# KiCad board HPM6750_ADC_EVK_RevA.kicad_pcb (continued)
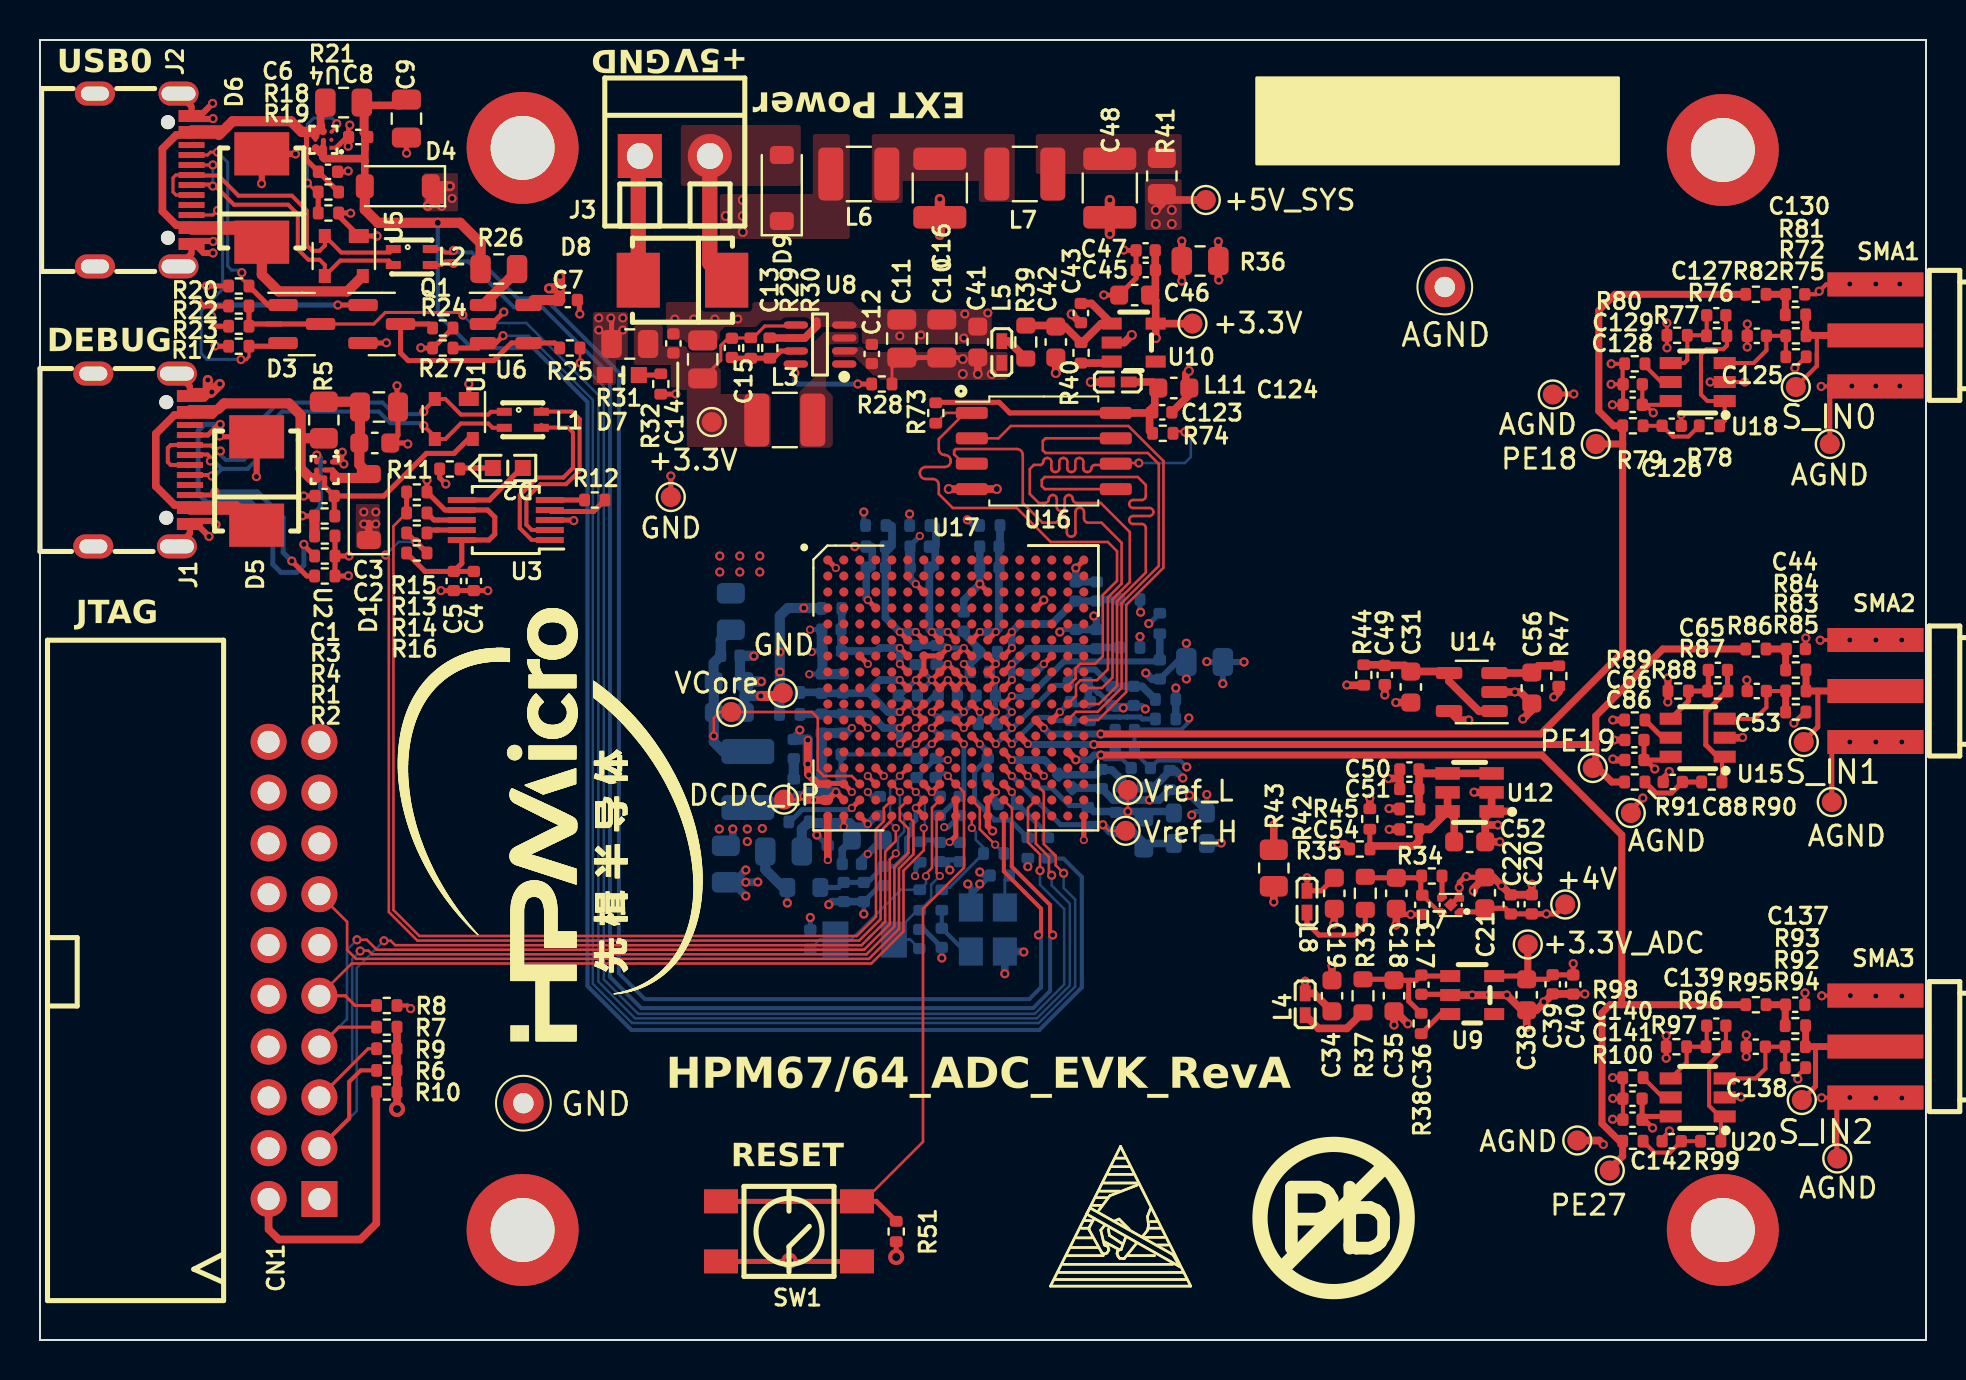
[diagram p0: board, top side]
## Routing (per net, layer and track width the routed paths; a pad name or vN(x,y) marks a point on that pad's centre or on a via; arc(x,y) is an arc through that point) (continued)
VDD_BATCAP_1V1: length 1.8
  Top w0.254: U17.M8 v1(44.59,29.8)
  Bottom w0.254: v1(44.59,29.8) 44.51,29.8 43.67,28.96
VDD_OTPCAP_2V5: length 5.6
  Top w0.254: U17.M7 v1(43.79,29.8)
  Bottom w0.203: C59.1 43.23,29.28 43.75,29.8 v1(43.79,29.8)
  Bottom w0.254: C60.1 C59.1
VDD_PMCCAP_1V1: length 4.6
  Top w0.254: U17.M9 v1(46.19,29.8)
  Bottom w0.254: v1(46.19,29.8) 46.19,27.23 46.15,27.18 ; C61.1 45.03,26.22 C62.1
/DEBUG/DN1: length 22
  Top w0.2: v2(9.02,44.45) 8.84,44.45 8.56,44.72 8.02,44.72 7.99,44.75 6.54,44.75 6.39,44.6 6.39,43.9 6.54,43.75 7.49,43.75 ; v2(19.19,46.42) 19.19,46.47 19.74,47.02 U1.2 20.27,47.05 21.04,46.28 22.41,46.28 22.55,46.41 L1.1
  Bottom w0.2: v2(9.02,44.45) 9.02,44.27 9.28,44.01 10.19,44.01 11.22,45.04 11.22,46.17 11.93,46.88 17.12,46.88 17.7,46.3 19.06,46.3 v2(19.19,46.42)
/DEBUG/DP1: length 20.8
  Top w0.2: L1.4 22.63,45.61 22.41,45.83 21.04,45.83 20.27,45.05 U1.3 19.74,45.17 v2(19.19,45.72) ; 7.49,44.25 7.99,44.25 8.02,44.28 8.38,44.28 8.52,44.13 v2(8.52,43.95) ; 7.49,43.25 8.54,43.25 v2(8.59,43.2)
  Bottom w0.2: 9.1,43.56 8.7,43.95 v2(8.52,43.95) ; 9.1,43.56 8.74,43.2 v2(8.59,43.2) ; 9.1,43.56 10.37,43.56 11.67,44.86 11.67,45.99 12.11,46.42 16.94,46.42 17.52,45.84 19.06,45.84 v2(19.19,45.72)
/DEBUG/PY0_JTAG_TDO: length 38
  Top w0.127: CN1.13 15.35,20.91 15.35,19.5 15.8,19.06 41.45,19.06 42.95,20.56 42.95,23.56 43.67,24.29 43.67,24.57 ; U17.U6 43.67,25.92 43.67,24.57 ; 43.67,24.57 43.67,24.37
/DEBUG/PY1_JTAG_TDI: length 46.4
  Top w0.127: v2(16.01,19.45) 16.03,19.47 16.42,19.47 16.61,19.28 41.32,19.28 42.72,20.68 42.72,23.66 43.42,24.36 43.42,25.57 42.99,26 42.99,26.6 U17.T6
  Top w0.152: CN1.5 16.4,14.56 R9.1
  Bottom w0.127: v2(16.01,19.45) 15.61,19.05 15.61,13.77 CN1.5
/DEBUG/PY2_JTAG_TCK: length 41.8
  Top w0.127: v1(43.79,27.4) U17.R6 ; CN1.9 15.59,18.83 41.57,18.83 43.18,20.44 43.18,23.47 44.19,24.48 v1(44.19,25.6)
  Top w0.152: R8.2 15.75,16.72 15.27,17.21 CN1.9
  Bottom w0.127: v1(43.79,27.4) 44.24,26.95 44.24,25.65 v1(44.19,25.6)
/DEBUG/PY3_JTAG_TMS: length 44.4
  Top w0.127: U17.R5 v1(42.99,27.4) ; 42.6,24.14 v1(42.79,24.33) 42.49,24.03 42.49,20.8 41.2,19.51 16.84,19.51 16.34,20.01 v2(15.85,20.01)
  Top w0.152: CN1.7 14.94,15.64 R7.1
  Bottom w0.127: v2(15.85,20.01) 15.35,19.51 15.35,16.05 CN1.7 ; v1(42.99,27.4) 42.99,26.4 43.21,26.18 43.21,25.43 42.9,25.12 42.9,24.54 42.84,24.48
/DEBUG/PY4_JTAG_TRST: length 51.9
  Top w0.127: 42.55,24.7 42.79,24.95 v1(42.79,25.6) ; 42.55,24.7 42.26,24.42 42.26,20.92 41.41,20.08 ; 42.55,24.7 42.39,24.55 ; 41.41,20.08 41.08,19.74 17.76,19.74 17.54,19.96 v2(17.2,19.96) ; 41.41,20.08 41.55,20.21
  Top w0.203: CN1.3 15.46,11.08 15.46,12.91 16.03,13.48 R6.2 ; U17.P6 v1(42.99,28.2)
  Bottom w0.127: v2(17.2,19.96) 15.84,18.6 15.84,11.46 CN1.3 ; v1(42.99,28.2) 42.51,27.72 42.51,25.88 v1(42.79,25.6) 42.66,25.73
/DEBUG/PY6_URT0.TXD: length 53.4
  Top w0.127: U17.U5 42.59,26 42.45,25.86 ; 42.45,25.86 42.19,25.6 ; 42.45,25.86 42.03,25.44 42.03,21.04 40.96,19.97 18.87,19.97 17.44,21.4 17.44,39.09 v2(17.28,39.25)
  Top w0.254: 18.7,40 v2(18.8,39.91) R16.2 18.35,40.35 R14.2
  Bottom w0.127: v2(17.28,39.25) 17.93,39.91 v2(18.8,39.91)
/DEBUG/PY7_URT0.RXD: length 53.7
  Top w0.127: U17.T5 42.19,26.6 42.19,25.94 41.8,25.55 41.8,21.16 40.84,20.2 18.97,20.2 17.67,21.5 17.67,40.69 R13.2
  Top w0.152: 18.33,41.11 R15.2
  Top w0.254: R15.2 R13.2
/DEBUG/USB2UART_N: length 10.5
  Top w0.203: U3.2 24.59,40.5 24.32,40.77 24.32,42.09 25.02,42.79 26.3,42.79 26.98,43.47 26.98,46.05 26.61,46.42 25.19,46.42 25.07,46.55
/DEBUG/USB2UART_P: length 10.1
  Top w0.203: 25.07,45.75 25.2,45.62 26.4,45.62 26.65,45.37 26.65,43.61 26.16,43.12 24.87,43.12 23.99,42.24 23.99,40.6 24.59,40 U3.1
/HPM6750-IO3/CA_CS0: length 27.9
  Top w0.127: U16.1 45.3,46.36 R73.2 ; U16.1 46.24,46.36 44.94,45.05 44.94,44.55 arc(45.03,44.34) 45.24,44.25 arc(45.45,44.16) 45.54,43.95 45.54,43.95 arc(45.45,43.74) 45.24,43.65 44.29,43.65 arc(44.08,43.56) 43.99,43.35 arc(44.08,43.14) 44.29,43.05 44.64,43.05 arc(44.85,42.96) 44.94,42.75 44.94,42.3 45.64,41.6 48.84,41.6 50.54,39.9 53.39,39.9 53.85,39.44 53.85,37.96 53.14,37.25 53.14,34.19 52.76,33.81 52.01,33.81 51.78,33.58 51.78,33.08 51.39,32.69 U17.J16 ; U16.1 46.43,46.51
/HPM6750-IO3/CA_D0: length 25.6
  Top w0.127: 53.74,42.5 U16.5 50.24,42.55 50.09,42.69 50.09,43 50.24,43.15 54.89,43.15 55.29,42.75 55.29,42.2 arc(55.23,42.06) 55.09,42 54.66,42 arc(54.52,41.94) 54.46,41.8 arc(54.52,41.66) 54.66,41.6 55.48,41.6 arc(55.61,41.54) 55.67,41.41 55.67,41.39 arc(55.61,41.26) 55.48,41.2 54.66,41.2 arc(54.52,41.14) 54.46,41 arc(54.52,40.86) 54.66,40.8 55.09,40.8 arc(55.23,40.74) 55.29,40.6 55.29,38.38 53.85,36.94 53.85,32.71 52.95,31.8 U17.K17
/HPM6750-IO3/CA_D1: length 25.6
  Top w0.127: 46.59,45.08 47.92,45.08 48.54,45.7 54.42,45.7 56.17,43.95 56.17,38.61 54.31,36.75 54.31,32.4 52.91,31 U17.L17
/HPM6750-IO3/CA_D2: length 25.6
  Top w0.127: U16.3 46.17,43.81 45.7,44.29 45.7,44.46 45.79,44.55 48.84,44.55 arc(49.05,44.46) 49.14,44.25 49.14,41.85 50.13,40.86 50.74,40.86 arc(50.86,40.91) 50.92,41.04 arc(50.97,41.16) 51.09,41.21 51.17,41.21 arc(51.29,41.16) 51.34,41.04 51.34,40.38 arc(51.41,40.23) 51.56,40.16 arc(51.71,40.23) 51.77,40.38 51.77,41.4 arc(51.83,41.55) 51.99,41.61 arc(52.14,41.55) 52.2,41.4 52.2,41.08 arc(52.25,40.94) 52.37,40.87 53.07,40.87 54.08,39.86 54.08,37.81 53.4,37.13 53.4,33.54 52.85,32.99 52.03,32.99 51.8,32.76 51.8,32.21 U17.K16
/HPM6750-IO3/CA_D3: length 25.6
  Top w0.127: 53.79,45.08 50.27,45.08 50.14,44.95 50.14,44.49 50.28,44.35 55.39,44.35 55.94,43.8 55.94,38.7 54.08,36.84 54.08,32.61 52.88,31.41 51.8,31.41 U17.L16
/HPM6750-IO3/CA_SCLK: length 31.6
  Top w0.127: v2(54.94,43.85) 53.83,43.85 U16.6 53.73,43.75 52.74,43.75 arc(52.62,43.7) 52.56,43.58 arc(52.51,43.45) 52.39,43.4 52.34,43.4 arc(52.22,43.45) 52.17,43.58 52.17,43.92 arc(52.11,44.05) 51.99,44.1 51.94,44.1 arc(51.82,44.05) 51.77,43.92 51.77,43.58 arc(51.71,43.45) 51.59,43.4 51.54,43.4 arc(51.42,43.45) 51.36,43.58 51.36,43.92 arc(51.31,44.05) 51.19,44.1 51.14,44.1 arc(51.02,44.05) 50.96,43.92 50.96,43.58 arc(50.91,43.45) 50.79,43.4 50.74,43.4 arc(50.62,43.45) 50.56,43.58 50.56,43.92 arc(50.51,44.05) 50.39,44.1 50.34,44.1 arc(50.22,44.05) 50.17,43.92 arc(50.13,43.82) 50.04,43.75 49.69,43.75 49.49,43.55 49.49,42.3 49.94,41.85 50.24,41.85 arc(50.38,41.91) 50.44,42.05 arc(50.5,42.19) 50.64,42.25 arc(50.78,42.19) 50.84,42.05 50.84,41.65 arc(50.9,41.51) 51.04,41.45 arc(51.18,41.51) 51.24,41.65 51.24,42.05 arc(51.3,42.19) 51.44,42.25 arc(51.58,42.19) 51.64,42.05 arc(51.7,41.91) 51.84,41.85 53.04,41.85 54.49,40.4 54.49,37.9 53.62,37.03 53.62,33.12 53.1,32.6 U17.J17 ; v2(57.24,45.4) 57.2,45.44 56.5,45.44
  Bottom w0.127: v2(57.24,45.4) 57.54,45.1 57.54,44.15 57.24,43.85 v2(54.94,43.85)
/HPM6750-IO4/PE18: length 59
  Top w0.349: 79.14,44.8 79.14,34.39 75.04,30.3 v2(53.04,30.3) ; 79.14,44.8 R79.2 78.68,45.71 77.94,46.45 77.94,51.48 78.75,52.28 R82.2 ; 79.14,44.8 TP20.1 ; U17.L14 v1(50.19,30.6)
  Bottom w0.349: v1(50.19,30.6) 50.49,30.3 v2(53.04,30.3) 53.56,30.3 C24.1
/HPM6750-IO4/PE19: length 43.3
  Top w0.349: v1(49.39,29.8) U17.M13 ; v2(52.69,29.78) 77.79,29.78 ; 77.79,29.78 77.79,31.2 81.14,34.55 R86.2 ; 77.79,29.78 77.79,28.7 78.59,27.9 R91.2
  Bottom w0.349: C23.1 53.53,29.78 v2(52.69,29.78) 49.42,29.78 v1(49.39,29.8)
/HPM6750-IO4/PE27: length 55.8
  Top w0.203: R100.2 78.98,9.94
  Top w0.349: v2(51.79,29.01) 51.4,29.4 U17.N16 ; 78.52,8.58 79.14,9.19 R100.2 ; v2(53.04,29.25) 75.09,29.25 79.09,25.25 79.09,16.77 ; 79.09,16.77 R95.2 ; 79.09,16.77 78.5,16.77 78.1,16.36 78.1,10.82 78.98,9.94
  Bottom w0.203: v2(53.04,29.25) 53.25,29.04 54.12,29.04 C25.1
  Bottom w0.349: v2(53.04,29.25) 52.71,29.25 52.48,29.01 v2(51.79,29.01)
/HPM6750-IO4/USB0_ID: length 84.7
  Top w0.127: v2(50.58,23.24) 50.44,23.38 50.44,24.16 49.79,24.82 U17.U14
  Top w0.152: v2(21.14,51.25) 21.01,51.38 17.26,51.38 16.69,50.8 D3.3
  Top w0.254: R22.1 R23.2 10.56,50.8 12.03,50.8 ; D3.3 12.03,50.8 ; 12.03,50.8 11.35,50.8
  Bottom w0.127: v2(21.14,51.25) 21.54,50.85 24.32,50.85 27.92,47.25 27.92,17.92 29.76,16.08 49.84,16.08 51.49,17.73 51.49,21.82 50.58,22.73 v2(50.58,23.24)
/HPM6750-IO4/USB0_OC: length 74.6
  Top w0.127: 50.78,24.21 50.78,23.74 v2(51.18,23.34) ; 50.78,24.21 50.67,24.32 ; 50.78,24.21 50.67,24.32 ; 50.67,24.32 50.19,24.8 50.19,27.4 U17.R14
  Top w0.254: v2(23.15,50.22) 22.78,49.85 U6.3 21.9,49.6 R27.2
  Bottom w0.127: v2(23.15,50.22) 23.16,50.21 24.44,50.21 27.64,47.01 27.64,17.81 29.6,15.85 49.93,15.85 51.76,17.68 51.76,22.02 51.18,22.6 v2(51.18,23.34)
/HPM6750-IO4/USB0_PWR: length 66.5
  Top w0.127: v2(27.01,48.86) 27,48.87 R25.1 ; v2(50,23.47) 50,24.28 49.4,24.88 49.4,26.61 U17.T14
  Bottom w0.127: v2(50,23.47) 50,22.76 51.21,21.55 51.21,17.78 49.74,16.31 29.91,16.31 28.19,18.03 28.19,47.68 v2(27.01,48.86)
/HPM6750-OSC-USB/USB0_DN: length 75.5
  Top w0.127: 48.6,25.83 48.6,26.59 U17.T12
  Top w0.2: v2(50.63,20.25) 50.51,20.38 50.51,21.75 48.59,23.67 48.59,25.82 ; 20.68,53.8 20.55,53.92 20.4,53.92 ; 20.4,53.92 20.68,53.92 ; 20.4,53.92 20.25,53.92 20.08,53.75 L2.3
  Bottom w0.2: v2(50.63,20.25) 50.51,20.12 50.5,17.45 49.65,16.59 30.06,16.59 28.49,18.16 28.49,48.26 25.11,51.64 23.7,51.64 21.4,53.93 20.78,53.93 v2(20.68,53.83)
/HPM6750-OSC-USB/USB0_DP: length 73.7
  Top w0.2: 20.51,54.38 20.68,54.38 ; 20.51,54.38 20.25,54.38 20.08,54.55 L2.2 ; 20.51,54.38 20.6,54.38 20.68,54.45 ; U17.U12 48.19,23.43 49.27,22.35 ; 49.27,22.35 49.2,22.42 ; 49.27,22.35 50.05,21.57 50.05,20.38 v2(49.93,20.25)
  Bottom w0.2: v2(20.68,54.48) 20.78,54.38 21.59,54.38 23.88,52.09 25.23,52.09 28.94,48.37 28.94,18.34 30.24,17.04 49.47,17.04 50.05,17.63 50.05,20.12 v2(49.93,20.25)
/HPM6750-POWER/VANA: length 7.1
  Top w0.254: U17.N12 v1(48.59,29)
  Bottom w0.381: v1(48.59,29) 50.23,29 50.95,28.28 C77.1 52.82,28.26 53.06,28.5 53.59,28.5 54.14,27.95 L10.2
/HPM6750-VPMC-VBAT/BUTTON_RESET_N: length 33.8
  Top w0.127: SW1.3 41.17,6.93 44.15,9.91 44.15,21.56 46.2,23.61 46.2,27.39 U17.R9 v1(45.39,28.2)
  Top w0.25: SW1.4 SW1.3 41.81,6.93 R51.2
  Bottom w0.254: v1(45.39,28.2) 45.27,28.32 44.79,28.32
/Power/DCDC_3.3V: length 6.2
  Top w0.152: C15.1 34.04,48.99 34.04,49.73 34.41,50.1 35.64,50.1 36.24,50.7 37.74,50.7 U8.5
/USB/DN: length 15.9
  Top w0.152: J2.B7 8.64,58.75 v2(8.64,58.75)
  Top w0.2: L2.4 17.44,53.98 15.02,53.98 U5.3 14.24,53.75 13.98,54.01 13.42,54.01 12.89,54.54 12.89,56.28 12.41,56.77 9.69,56.77 8.68,57.77 8.1,57.77 8.08,57.75 J2.A7
  Bottom w0.152: v2(8.64,57.7) v2(8.64,58.75)
/USB/DP: length 16.4
  Top w0.152: J2.A6 6.79,58.25 6.65,58.11 6.65,57.4 6.8,57.25 J2.B6
  Top w0.2: L2.1 17.49,54.38 15.06,54.38 U5.2 14.24,54.72 13.98,54.46 13.61,54.46 13.34,54.73 13.34,56.47 12.59,57.22 9.92,57.22 8.91,58.23 8.1,58.23 8.08,58.25 J2.A6
/USB/VUSB_IN: length 36.8
  Top w0.254: R18.1 C6.1 13.33,59 13.33,60.37 13.37,60.41
  Top w0.381: 8.94,60.25 J2.B9 6.81,60.25 6.12,59.56 6.12,56.44 6.81,55.75 J2.B4 10.23,55.75 D6.2 10.53,55.45 J2.A9 ; 13.75,60.18 13.77,60.2 U4.C3 14.06,60.7 ; 9.34,60.65 9.24,60.55 J2.A4 ; 14.35,61.73 14.03,61.41 14.03,60.73 14.06,60.7 ; 14.06,60.7 14.06,60.52 14.15,60.43
  Top w0.508: 14.33,62.27 14.33,61.45 14.27,61.39 ; U4.C3 13.08,60.41 12.55,60.94 9.63,60.94 8.94,60.25 ; D6.2 11.09,53.27 11.93,52.43 15.37,52.43 U5.4
DCDC_GND: length 13.9
  Top w0.25: 38.84,27.83 39.36,27.83 U17.R1 39.42,27.83 40.16,27.83 U17.R2
  Top w0.254: 38.52,28.17 38.39,28.3 v1(38.39,28.8) ; 38.52,28.17 38.89,27.8 ; 38.52,28.17 38.65,28.04 ; U17.R2 v1(40.59,27.4)
  Top w0.381: U17.R1 38.89,27.8 v1(38.44,28.25) 38.39,28.3 v1(38.39,30) v1(38.39,28.8)
  Bottom w0.25: C96.2 39.37,24.72 v2(38.84,25.25) ; v1(41.39,27.4) 41.62,27.17 C76.2 ; v2(37.99,30.5) 37.69,30.2 C97.2 ; C72.2 42.09,25
  Bottom w0.381: v2(34.64,25.55) 34.64,25.06 34.49,24.91 ; 42.09,25 v1(41.39,24.3) ; C73.2 41.07,24 41.39,24.32 ; 38.36,30.03 v1(38.39,30)
  Bottom w0.508: 38.39,30.03 v1(38.39,28.8) ; C97.2 38.36,30.03
  vias: v2(33.96,25.55) v2(35.36,25.55) v2(35.36,24.92) v2(36.11,25.58)
VCore: length 17.2
  Top w0.254: U17.J10 v1(46.19,33) ; v1(46.19,33) U17.H9 v1(45.39,33.8) U17.H8 v1(44.59,33) U17.J8 v1(45.39,33) U17.J9 v1(46.19,33) ; U17.K10 v1(46.99,31.4) ; v1(46.19,33.8) U17.H10 ; U17.K8 v1(44.59,31.4) ; U17.K9 v1(46.19,31.4)
  Bottom w0.254: 43.97,32.22 43.97,32.38 v1(44.59,33) 43.82,33.77 C87.1 ; v1(45.39,33.8) 44.86,33.8 C78.1 ; v1(46.19,31.4) 46.81,32.02 C98.1 ; v1(46.19,31.4) 45.87,31.72 C91.1 ; v1(46.19,31.4) 45.99,31.2 C80.1 44.78,31.2 v1(44.59,31.4) ; v1(46.99,31.4) 46.99,30.69
  Bottom w0.381: C89.1 46.19,35.32 47.11,34.4 46.51,33.8 v1(46.19,33.8)
  vias: v2(33.99,39.2) v2(33.99,38.4) v2(34.99,39.2) v2(34.99,38.4) v2(35.99,39.2) v2(35.99,38.4)
VREFH: length 2.3
  Top w0.381: v2(64.89,24.8) 65.23,24.8 R35.2 ; v2(65.34,32.75) 65.35,32.74 R44.2
  Bottom w0.381: v2(59.06,24.85) 58.36,24.85 R61.2
Net-(C44-Pad1): length 2.1
  Top w0.349: R84.2 87.28,34.52 C44.1 R86.1
Net-(C57-Pad1): length 12.5
  Top w0.203: U17.R4 v1(41.39,28.2)
  Top w0.254: U17.T7 v1(43.79,26.6) U17.U7
  In2.Cu w0.25: v1(41.39,28.2) 42.99,26.6 v1(43.79,26.6)
  Bottom w0.25: C57.1 41.39,22.88 C58.1 42.75,23.68 43.33,24.26 43.33,24.6
  Bottom w0.254: R49.2 39.93,22.62 C67.1 C57.1 41.35,22.72 ; 43.33,24.6 43.33,25.09 43.59,25.35 43.59,25.8 43.79,26 v1(43.79,26.6)
Net-(C72-Pad1): length 10.7
  Top w0.254: U17.U2 v1(40.19,25.67) ; U17.U3 v1(41.39,25.8)
  Bottom w0.127: v1(41.39,25.8) 40.79,25.8 40.66,25.67
  Bottom w0.381: C76.1 41.8,26.21 v1(41.39,25.8) 41.27,25.68 C96.1 ; C73.1 40.11,24.52 C72.1 40.66,25.06
  Bottom w0.508: 40.66,25.06 40.66,25.67 40.47,25.85 38.39,25.85 38.09,25.55 R57.2
Net-(C88-Pad1): length 3.3
  Top w0.25: R90.2 C88.1 81.57,27.35 80.8,27.35 R91.1
Net-(C97-Pad1): length 1
  Bottom w0.508: C97.1 R55.1
Net-(C101-Pad1): length 7.7
  Top w0.254: U17.F7 v1(43.79,35.4) ; U17.F6 v1(42.99,35.4)
  Bottom w0.381: v1(43.79,35.4) v1(42.99,35.4) 42.27,36.12 C70.1 42.27,39.37 42.6,39.7 42.6,40.72
Net-(C102-Pad1): length 7.3
  Top w0.254: U17.F10 v1(46.99,35.4) ; U17.F11 v1(47.79,35.4)
  Bottom w0.381: v1(46.99,35.4) v1(47.79,35.4) 47.95,35.56 C102.1 47.95,38.63 C104.1 48,39.72 R63.1
Net-(C103-Pad1): length 7.8
  Top w0.254: U17.F8 v1(44.59,35.4) ; U17.F9 v1(45.39,35.4)
  Bottom w0.381: 44.47,36.2 44.47,35.72 ; 44.47,36.2 C105.1 ; 44.47,36.2 44.47,35.52 v1(44.59,35.4) v1(45.39,35.4) ; 44.77,38.62 44.76,38.63 44.76,39.67 44.8,39.71 44.8,40.72
Net-(C106-Pad1): length 7.6
  Top w0.254: U17.L6 v1(42.99,30.6) ; U17.M6 v1(42.99,29.8)
  Bottom w0.381: 39.79,31.31 41.48,31.31 42.19,30.6 v1(42.99,30.6) v1(42.99,29.8) ; 39.79,31.31 C109.1 39.07,31.28 R64.1 ; 39.79,31.31 C106.1
Net-(C107-Pad1): length 8.5
  Top w0.254: U17.J6 v1(42.99,33) ; U17.K6 v1(42.99,31.4)
  Bottom w0.381: R65.1 39.05,32.38 C107.1 40.13,32.34 C113.1 41.33,32.34 ; v1(42.99,33) 41.99,33 41.33,32.34 ; 41.33,32.34 41.44,32.34 42.39,31.4 v1(42.99,31.4)
Net-(C108-Pad1): length 7.1
  Top w0.254: U17.H6 v1(42.99,33.8) ; U17.G6 v1(42.99,34.6)
  Bottom w0.381: v1(42.99,33.8) v1(42.99,34.6) 41.99,34.6 41.84,34.45 C112.1 40.05,34.48 C108.1 40.09,35.56 R66.1
Net-(C110-Pad1): length 8
  Top w0.254: U17.F12 v1(48.59,35.4) ; U17.G12 v1(48.59,34.6)
  Bottom w0.381: R68.1 52.92,37.03 C116.1 51.79,36.95 C110.1 51.73,36.94 50.59,35.8 48.99,35.8 v1(48.59,35.4) v1(48.59,34.6)
Net-(C114-Pad1): length 7.7
  Top w0.254: U17.H12 v1(48.59,33.8) ; U17.J12 v1(48.59,33)
  Bottom w0.381: R69.1 52.88,34.62 C118.1 51.79,34.56 C114.1 49.39,34.56 48.63,33.8 v1(48.59,33.8) v1(48.59,33)
Net-(C126-Pad1): length 3.3
  Top w0.203: R79.1 C126.1 81.64,45.17 82.42,45.17 R78.2
Net-(C130-Pad1): length 2
  Top w0.203: 87.27,52.27 C130.1
  Top w0.349: R81.2 87.27,52.27 ; R82.1 C130.1
Net-(C137-Pad1): length 2
  Top w0.203: 87.26,16.75 C137.1
  Top w0.349: R95.1 C137.1 ; R93.2 87.26,16.75
Net-(C142-Pad1): length 3.3
  Top w0.203: R100.1 80.73,9.37 81.49,9.37 C142.1 R99.2
Net-(CN1-Pad2): length 14
  Top w0.381: R10.1 16.81,12.39 16.81,5.83 16.02,5.03 11.94,5.03 11.43,5.53 CN1.2
Net-(D1-A): length 8.7
  Top w0.254: U2.A2 15.03,43.1 15.07,43.1 ; U2.A2 U2.A3 ; U2.A2 U2.B2
  Top w0.508: R5.1 15.74,46.91 C3.1 16,44.88 C2.1 15.96,43.78 D1.2 16.24,43.1 14.74,43.1
Net-(D2-A): length 3.7
  Top w0.254: U3.6 22.47,42 24.07,43.6 24.09,43.6
Net-(D2-K): length 2.3
  Top w0.254: 22.59,43.6 22.09,43.6 ; 22.09,43.6 21.05,43.6 R11.1 ; 22.09,43.6 21.45,43.6
Net-(D7-K): length 1.1
  Top w0.25: R32.1 30.98,48.25 D7.1
Net-(D8-K): length 6.6
  Top w0.762: J3.2 33.49,53.83 D8.2
Net-(J1-CC1): length 16.2
  Top w0.25: v2(13.19,39.78) 13.19,39.74 R1.1 ; 7.49,45.25 8.4,45.25 8.93,45.78 v2(9.01,45.78)
  Bottom w0.25: v2(9.01,45.78) 8.23,45.78 7.91,45.46 7.91,42.31 8.33,41.89 10.55,41.89 11.64,40.8 11.64,38.79 12.05,38.38 12.83,38.38 13.19,38.74 v2(13.19,39.78)
Net-(J1-CC2): length 9.1
  Top w0.25: v2(12.59,38.95) 13.34,38.2 R2.1 ; v2(8.75,42.41) 8.59,42.25 7.49,42.25
  Bottom w0.25: v2(8.75,42.41) 10.86,42.41 12.16,41.11 12.16,39.38 v2(12.59,38.95)
Net-(J2-CC1): length 11
  Top w0.152: v2(10.09,53.37) 10.09,53.06 R20.1 ; v2(8.88,59.39) 8.52,59.39 8.38,59.25 J2.A5
  Top w0.254: D3.1 11.4,51.75 R20.1
  Bottom w0.152: v2(10.09,53.37) 9.97,53.49 9.59,53.49 9.38,53.7 9.38,58.89 v2(8.88,59.39)
Net-(J2-CC2): length 14
  Top w0.152: J2.B5 8.65,56.25 v2(8.88,56.48) ; R17.1 10.45,49.16 10.31,49.02 v2(10.05,49.02)
  Top w0.254: R17.1 11.99,49.69 D3.2
  Bottom w0.152: v2(10.05,49.02) 10.04,49.03 8.35,49.03 8.06,49.32 8.06,51.47 9.13,52.54 9.13,56.23 v2(8.88,56.48)
Net-(L4-Pad2): length 3.5
  Top w0.381: L4.2 63.92,15.58 65.34,15.58 R37.1
Net-(L5-Pad2): length 1.6
  Top w0.381: 48.09,49.94 48.42,49.94 R39.1
Net-(L8-Pad2): length 4.6
  Top w0.254: R33.1 66.27,20.78 65.74,20.25 63.94,20.25 63.35,20.84 L8.2
Net-(L9-Pad1): length 8.9
  Top w0.127: TP11.1 38.01,27.02 v1(38.19,27.2)
  Top w0.305: U17.T1 v1(39.79,27.4) U17.T2 ; v1(38.69,27) 39.19,27
  Top w0.381: v1(38.19,27.2) 38.39,27 U17.T1
  Top w0.508: U17.T1 39.19,27
  Bottom w0.508: v1(39.79,27.4) 38.39,27.4 v1(38.19,27.2) 37.86,27.2 R55.2 37.02,27.03 36.61,26.62 L9.1
Net-(Q1-D): length 11.7
  Top w0.254: R24.1 19.43,50.8 Q1.3 18.03,49.35 18.41,48.97 22.69,48.97 23.57,49.85 U6.4 25.73,49.85 R25.2
Net-(Q1-G): length 9.2
  Top w0.254: Q1.1 v2(14.89,51.75) ; v2(8.58,51.19) 8.58,50.9 8.79,50.69 R23.1
  Bottom w0.254: v2(8.58,51.19) 8.58,51.42 8.91,51.75 v2(14.89,51.75)
Net-(QZ1-OSC1): length 11.5
  Top w0.127: 44.39,23.4 44.6,23.61 44.6,26.61 U17.T8
  Bottom w0.127: v1(44.3,23.19) 44.3,22.82 R60.2 43.04,22.51 40.55,20.03 QZ1.1 38.99,20.03 C94.1
  Bottom w0.254: 43.82,22.64 43.99,22.64
Net-(QZ1-OSC2): length 8.9
  Top w0.127: v1(44.99,23.2) 44.83,23.36 44.83,26.04 U17.U8
  Bottom w0.127: C95.1 43.51,20.03 QZ1.2 42.69,20.31 43.99,21.61 ; v1(44.99,23.2) 44.56,22.77 44.56,22.06 R60.1
  Bottom w0.152: v1(44.99,23.2) 44.94,23.2
Net-(R42-Pad1): length 13.6
  Top w0.381: v2(75.69,32.15) 75.94,32.4 R47.1 ; R42.1 v2(66.49,27.1)
  In2.Cu w0.381: v2(75.69,32.15) 75.34,31.8 69.29,31.8 66.49,29 v2(66.49,27.1)
Net-(R72-Pad1): length 8.1
  Top w0.203: TP12.1 88.84,48.7 88.84,49.3 ; 88.81,50.23 88.84,50.2 88.84,49.3 ; 88.28,50.23 R72.1 ; 88.84,49.3 88.84,48.8
  Top w0.349: SMA1.5 88.33,50.23 R72.1 ; R81.1 88.28,50.23
Net-(R83-Pad1): length 7.6
  Top w0.25: 88.89,32.45 88.89,30.65 88.19,29.95 ; 89.5,32.31 89.68,32.49
  Top w0.349: R84.1 88.3,33.5 R83.1 SMA2.5
Net-(R92-Pad1): length 7.7
  Top w0.203: 88.28,14.67 R92.1
  Top w0.25: 88.78,14.63 88.78,12.69 TP21.1 ; 89.68,14.71 89.54,14.85
  Top w0.349: SMA3.5 88.27,14.67 R92.1 ; R93.1 88.28,14.67
Net-(U2-OVLO): length 5.8
  Top w0.25: v2(13.11,41.21) 13.12,41.2 R3.2 ; U2.C1 13.83,44.24 v2(13.84,44.25)
  Top w0.508: R3.2 13.72,40.21 R4.2
  Bottom w0.25: v2(13.11,41.21) 13.58,41.21 14.02,41.65 14.02,44.12 13.84,44.3
Net-(U3-RXD): length 1.9
  Top w0.254: 19.83,40.5 U3.9 ; 19.83,40.5 19.5,40.5 R14.1 ; 19.83,40.5 19.92,40.5
Net-(U3-TXD): length 1.9
  Top w0.254: R13.1 19.7,41 U3.8
Net-(U3-~{CTS}): length 1.7
  Top w0.254: U3.5 R12.2
Net-(U3-~{RTS}): length 3
  Top w0.254: R12.1 27.68,41.43 25.56,41.43 U3.4
Net-(U4-OVLO): length 6.9
  Top w0.152: R18.2 13.82,57.4 v2(13.37,57.85) ; 14.62,60.41 14.62,60.46 14.84,60.68 v2(14.84,60.81)
  Top w0.254: R18.2 R19.2
  Bottom w0.152: v2(14.84,60.81) 14.84,60.85 14.59,61.1 13.69,61.1 13.37,60.78 13.37,57.85 v2(13.37,57.85)
Net-(U6-OUT): length 2.5
  Top w0.508: R26.1 23.85,53.45 U6.1
Net-(U7-EN): length 1.2
  Top w0.254: 70.1,23.28 70.1,22.21
  Top w0.381: 70.1,22.21 70.04,22.15
Net-(U7-IN): length 5.1
  Top w0.203: C17.1 69.93,21.42 70.1,21.42
  Top w0.254: 69.04,22.24 69.04,23.25 ; R33.2 66.31,23.11 C18.1 68.9,23.11
  Top w0.381: C17.1 69.04,22.24 ; 69.04,23.25 69.08,23.28
Net-(U8-EN): length 4.8
  Top w0.25: R28.2 v2(40.89,47.8) ; v2(37.74,48.35) 37.74,48.75 U8.8
  Bottom w0.25: v2(37.74,48.35) 37.74,47.95 37.89,47.8 v2(40.89,47.8)
Net-(U8-FB): length 3.1
  Top w0.25: 34.83,49.09 36.68,49.09 37.04,49.45 U8.7
Net-(U9-EN): length 1.9
  Top w0.254: U9.3 70.04,16.3 R38.1
Net-(U9-IN): length 6.4
  Top w0.254: 68.49,17.98 68.81,17.98 C36.1 69.12,18.2 U9.1 ; 68.49,17.98 68.43,17.93 68.43,16.95 69.05,16.33 R38.2 ; 68.49,17.98 67.76,17.98 67.71,18.03 66.21,18.03
Net-(U10-EN): length 1.6
  Top w0.381: R40.1 53.51,48.85 U10.3
Net-(U10-IN): length 7
  Top w0.381: 49.29,50.72 50.74,50.72 C42.1 51.24,50.67 R40.2 52.1,49.87 53.06,50.82 U10.1 52.58,51.83 C43.1
Net-(U12-ENABLE): length 6.8
  Top w0.381: U12.4 69.29,28.33 ; U12.4 69.14,28.33 C50.1 68.95,27.56 68.95,27.55 ; U12.4 U12.3 ; 68.95,27.62 68.95,26.62 69,26.58
Net-(U12-OUT_F): length 8.6
  Top w0.25: R35.1 66.49,24.56 R42.2
  Top w0.381: R35.1 66.65,24.7 68.69,24.7 68.95,24.96 C54.1 69.48,25.53 U12.6 ; U12.5 U12.6 ; U12.6 70.71,26.1 C52.1
Net-(U14-+): length 3.4
  Top w0.381: U14.3 74.56,33.35 C56.1 74.92,33.71 R47.2
Net-(U14--): length 7.9
  Top w0.381: R44.1 67.21,33.76 C49.1 ; 67.14,33.83 C49.1 ; C49.1 68.23,33.73 68.54,33.42 70.38,33.42 U14.4 70.45,32.94 71.94,31.45 U14.1
Net-(U15-+IN): length 5.2
  Top w0.203: 84.24,31.21 84.4,31.05 85.74,31.05 86.32,31.63 C53.1 R83.2
  Top w0.349: R83.2 87.28,31.41 R85.2
Net-(U15--IN): length 4.1
  Top w0.25: C65.2 83.42,32.48 R87.2 R88.1 ; R88.1 82.42,31.95 81.53,31.06 ; R88.1 82.42,32.09
Net-(U15-MODE): length 1.7
  Top w0.25: 81.14,30.26 81.54,30.26 ; R89.1 81.14,30.11
Net-(U15-OUT): length 6.7
  Top w0.203: R90.1 84.1,29.03
  Top w0.25: 84.23,29.31 83.73,29.31 83.29,29.76 83.29,31.4 84.34,32.45 R87.1 84.37,32.47 C65.1
  Top w0.349: 84.1,29.03 U15.1
Net-(U16-VCC): length 14.8
  Top w0.254: U16.8 48.48,46.36 47.96,46.88 44.81,46.88 R73.1
  Top w0.381: 55.48,46.48 55.36,46.36 U16.8 ; 55.48,46.48 55.74,46.74 55.74,47.78 55.62,47.9 L11.1 ; 55.48,46.48 55.48,46.48 55.48,45.44 ; 55.48,46.48 55.48,46.45
Net-(U17A-DCDC_PSW): length 3.8
  Top w0.254: U17.T3 v1(40.59,26.6)
  Bottom w0.254: v1(40.59,26.6) 40.51,26.52 38.11,26.52 37.59,26
Net-(U17A-VREFH): length 11.3
  Top w0.127: v2(53.14,25.77) 53.45,25.46 TP14.1
  Top w0.254: U17.P12 v1(48.59,28.2)
  Bottom w0.254: v1(48.59,28.2) 51.02,25.77 52.39,25.77
  Bottom w0.381: R61.1 55.24,24.83 54.64,25.42 53.48,25.42 v2(53.14,25.77) 52.39,25.77
Net-(U17A-VREFL): length 9.7
  Top w0.127: TP10.1 v2(54.39,26.42)
  Top w0.254: U17.P13 v1(49.39,28.2)
  Bottom w0.254: 52.39,26.72 51.46,26.72 50.59,27.6 49.99,27.6 v1(49.39,28.2)
  Bottom w0.381: 52.39,26.72 52.69,26.42 v2(54.39,26.42) 56.69,26.42
Net-(U17B-XTAL_IN): length 6.2
  Top w0.127: U17.T10 46.99,26.6 46.99,25.53 v1(47.76,24.77)
  Bottom w0.152: Y1.3 48.24,23 C92.1 48.2,23.5 R59.1 v1(47.76,24.77)
Net-(U17B-XTAL_OUT): length 4.9
  Top w0.127: U17.U10 v1(46.59,25.6)
  Bottom w0.127: R59.2 47.18,24.62 46.79,25.01 46.79,25.4 v1(46.59,25.6)
  Bottom w0.152: 45.09,22.62 45.48,22.62 R59.2
Net-(U17E-USB0_VBUS): length 3.4
  Top w0.254: U17.R12 48.48,27.51 48.5,27.51
  Bottom w0.254: 48.67,26.8 48.67,27.32 v1(48.59,27.4) ; 50.49,25.1 50.49,25.18 C74.1
Net-(U17E-VUSB): length 7.3
  Top w0.254: U17.M10 v1(46.99,29.8)
  Bottom w0.254: 47.39,29.08 46.73,28.42 46.73,26.99 47.72,26 48.5,26 R105.2
  Bottom w0.305: 47.39,29.08 47.39,29.4 v1(46.99,29.8)
Net-(U17G-VIO_B08): length 10
  Top w0.254: U17.K12 v1(48.59,32.2)
  Bottom w0.305: 48.62,32.17 49.44,32.17 51.2,33.93 52.12,33.93 52.13,33.93 55.91,33.93 55.99,34
  Bottom w0.381: R70.1 55.99,34
Net-(U17I-VIO_B09): length 11.6
  Top w0.254: U17.M11 v1(47.79,29.8) ; U17.L12 v1(48.59,30.6)
  Bottom w0.254: 51.42,32.73 50.77,32.73 48.64,30.6 v1(48.59,30.6) v1(47.79,29.8)
  Bottom w0.305: 51.42,32.73 51.42,33.13 51.81,33.52 52.75,33.52 C120.1
  Bottom w0.381: 51.42,32.73 51.42,32.83 ; C120.1 C121.1 55.11,32.69 R71.1
Net-(U17I-VIO_B10): length 8.6
  Top w0.254: U17.M12 v1(48.59,29.8)
  Bottom w0.254: 55.77,30.92 R67.1 55.12,31.05 55.02,31.15 54.36,31.15 54.35,31.14 53.98,31.14 53.97,31.15 52.55,31.15 52.37,30.97 51.18,30.97 51.17,30.97 50.57,30.97 50.41,31.13 49.92,31.13 v1(48.59,29.8)
Net-(U18-+IN): length 5.1
  Top w0.203: R75.2 87.29,50.2 R72.2 C125.1 86.32,49.48 85.69,48.85 U18.3
Net-(U18--IN): length 4.1
  Top w0.203: 81.53,48.85 82.22,48.85 82.36,49 R77.1 83.3,50.23 R76.2 83.33,50.22 C127.2
Net-(U18-MODE): length 1.8
  Top w0.203: 81.53,47.9 81.06,47.9 80.15,48.81
Net-(U18-OUT): length 7.7
  Top w0.203: R78.1 84.23,45.97 U18.1 83.37,46.95 83.05,47.27 83.05,49.27 83.32,49.54 84.16,49.54 84.34,49.72 R76.1 84.3,50.26 C127.1
Net-(U20-+IN): length 5.4
  Top w0.203: R94.2 87.26,14.66 R92.2 C138.1 86.27,13.57 85.78,13.08 U20.3
Net-(U20--IN): length 3.9
  Top w0.203: C139.2 83.33,14.7 R96.2 R97.1 82.33,13.87 81.53,13.08
Net-(U20-MODE): length 1.8
  Top w0.203: R98.1 81.14,12.13 81.53,12.13
Net-(U20-OUT): length 6.7
  Top w0.203: 84.05,9.94 84.05,10.99 U20.1 83.98,11.18 83.46,11.71 83.46,13.8 R96.1 84.3,14.69 C139.1
Net-(Y1-X1): length 3
  Bottom w0.203: 45.09,21.61 45.09,20.58 46.25,19.42 46.54,19.42

## Copper pours and planes (outline as drawn; the poured copper is in the pictures)
5V_SYS on Top: 39.64,49.65 41.09,49.65 41.34,49.4 48.39,49.4 48.39,48 41.89,48 40.74,49.15 39.64,49.15
5V_SYS on Top: 55.24,58.05 57.09,58.05 57.09,55.5 55.24,55.5
5V_SYS on In2.Cu: 45.09,47.7 55.54,47.7 55.54,53.65 57.19,55.3 57.19,57.1 57.14,57.15 53.79,57.15 52.54,55.9 52.54,51.6 51.49,50.55 45.09,50.55
+1.2VCore on Bottom: 36.79,28.8 36.79,30 36.59,30.2 34.59,30.2 34.39,30.4 34.39,34.6 34.79,35 35.39,35 35.59,35.2 35.59,36 35.39,36.2 32.79,36.2 32.59,36 32.59,29.2 32.99,28.8
+3V3 on Top: 28.79,47.75 28.79,49 29.39,49 29.39,51.4 27.64,51.4 27.64,47.75
+3V3 on In2.Cu: 0.47,64.63 55.86,64.63 55.86,35.64 49.58,29.36 49.58,0.17 0.47,0.17
+4V_OPA on In2.Cu: 82.07,46.87 80.1,46.87 80.1,34.49 76.91,31.42 69.63,31.42 66.96,28.71 66.96,25.83 72.44,20.3 76.66,20.3 80.28,17.4 80.28,9.91 82.07,9.91
+5V on Top: 15.79,41.8 16.99,41.8 16.99,39.6 15.79,39.6
+5V on Top: 20.9,58.34 20.9,56.48 20.85,56.43 19.29,56.43 19.18,56.54 19.18,58.34
+5V on Top: 33.99,55.05 40.49,55.05 40.49,60.3 38.64,60.3 38.64,57.3 33.99,57.3
+5V on In2.Cu: 17.39,51.2 18.4,52.21 35.64,52.21 35.64,57.51 31.35,57.51 31.35,55.45 20.99,55.45 20.95,55.49 20.95,58.51 15.13,58.51 15.1,58.48 15.1,39.4 17.39,39.4
GND on Top: 31.29,50 32.19,50 32.64,49.55 33.79,49.55 33.99,49.75 33.99,50.4 34.24,50.65 40.89,50.65 41.04,50.8 41.04,51.45 40.59,51.9 31.29,51.9
GND on Top: 40.24,50.6 40.99,50.6 41.09,50.5 41.09,49.8 47.59,49.8 47.59,51.5 47.54,51.55 40.29,51.55 40.24,51.5
GND on Bottom: 34.59,34.6 36.41,34.6 36.41,30.72 34.59,30.72
GND on Bottom: 33.52,23.75 36.16,23.75 36.16,21.85 33.52,21.85
GND on In1.Cu: -0.01,64.9 57.64,64.89 57.62,43.79 57.62,32.6 56.39,31.38 47.89,31.38 47.89,28.4 50.24,28.4 54.43,23.29 65.06,23.29 65.06,0 -0.01,0
GNDA on Bottom: 57.31,27.58 59.39,27.58 59.39,25.9 57.34,25.9 57.31,25.92
GNDA on In1.Cu: 58.05,64.91 58.04,32.57 56.48,31.06 48.24,31.06 48.24,28.68 50.7,28.68 54.64,23.7 65.55,23.7 65.55,0.03 94.07,0.03 94.07,65
/Power/DCDC_3.3V on Top: 32.34,48.6 32.34,44.65 36.54,44.65 36.54,47.2 36.44,47.3 34.04,47.3 34.04,48.6
/Power/DCDC_3.3V on Top: 29.69,50.75 31.14,50.75 31.14,49.7 33.94,49.7 33.94,47.5 31.64,47.5 31.54,47.6 31.54,48.75 29.69,48.75
/Power/SW on Top: 40.95,50.25 40.8,50.4 39.21,50.4 38.72,49.91 38.72,48.15 38.26,47.69 38.26,47.69 37.97,47.4 37.97,44.61 39.49,44.61 39.64,44.76 39.64,47.21 39.31,47.54 39.31,49.58 39.52,49.79 40.85,49.79 40.95,49.89
DCDC_GND on Bottom: 33.52,24.1 33.52,25.8 36.59,25.8 36.66,25.72 36.66,23.97 36.64,23.95 33.66,23.95
DCDC_GND on In1.Cu: 38.84,30.85 38.84,28.3 39.34,27.8 41.64,27.8 41.99,27.45 41.99,23.95 33.74,23.95 33.54,24.15 33.54,25.7 33.69,25.85 36.84,25.85 36.94,25.95 36.94,30.85
VCore on Bottom: 33.79,36.8 36.19,36.8 36.39,37 36.39,39.4 36.19,39.6 33.79,39.6 33.59,39.4 33.59,37
VCore on Bottom: 43.5,34.16 46.83,34.16 47.25,33.74 47.25,31.26 46.9,30.91 45.08,30.91 44.15,31.84 43.86,31.84 43.5,32.2
VCore on In2.Cu: 33.39,37.4 33.39,40.6 47.99,40.6 47.99,28.4 39.79,28.4 39.59,28.6 39.59,37.4
VREFH on In2.Cu: 58.64,24.5 65.64,24.5 65.64,33.25 64.74,33.25 64.74,25.95 64.09,25.3 58.64,25.3
Net-(C16-Pad1) on Top: 41.59,60.3 48.74,60.3 48.74,56.9 46.94,56.9 46.94,57.95 43.14,57.95 43.14,56.85 41.59,56.85
Net-(C48-Pad1) on Top: 49.79,60.3 57.09,60.3 57.09,58.3 49.79,58.3
Net-(D8-K) on Top: 32.04,60.75 32.04,57.7 38.04,57.7 38.04,60.75
Net-(L9-Pad1) on Bottom: 36.59,26 37.39,26.8 39.99,26.8 40.19,27 40.19,27.6 39.99,27.8 34.39,27.8 34.19,27.6 34.19,26.2 34.39,26

## Text on the board
B.Silkscreen: VREF | GND | TCK | NC | TDO | TMS | TDI | TRST
F.Silkscreen: P | b | DEBUG | USB0 | JTAG | RESET | GND | +5V | EXT Power | HPM67/64_ADC_EVK_RevA
